# Altium PCB AMC_Box_Mainboard.PcbDoc (part 2 of 8)
Units mil, origin at the board's own origin, x right, y up, seen from the top; angles counter-clockwise.
Board outline 2795.28 x 7874.02 mil, 4 copper layers (TOP, GND, PWR, BTM), stack 63.701 mil thick; 505 components, 378 nets, 1991 pads, 997 vias.
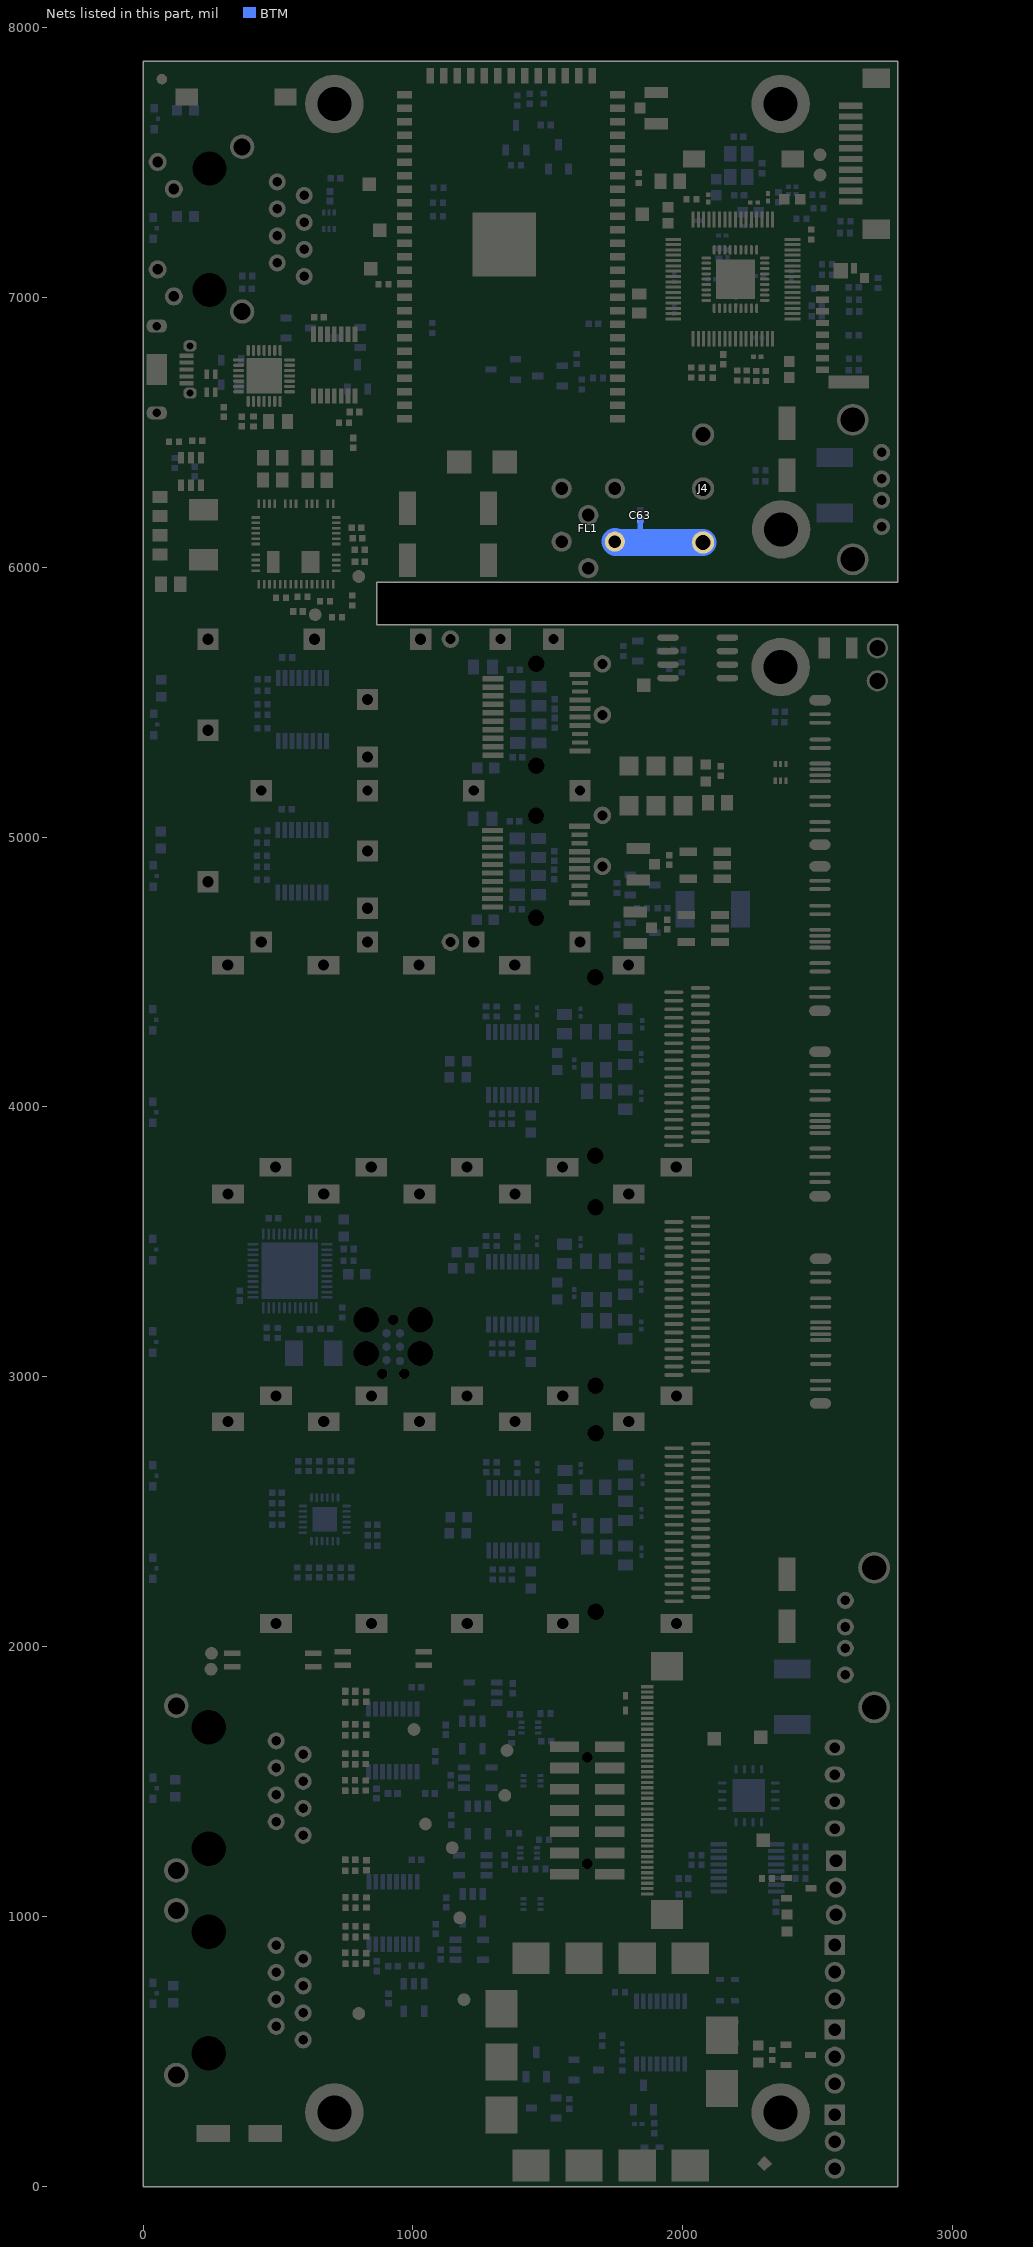
[diagram p4: the nets of this part, all layers, seen from the top]

## Components (designator, comment, footprint, x,y, rotation, side; value= is the part's Value field where it differs from the comment) (continued)
TP8 "TP" TP 2507.87,7452.76 r90 top
TP17 "TP" TP 254,1976 r180 top
TP18 "TP" TP 252,1917 r180 top
TP31 "Test Point" TPS127 844,7106 r180 top
TP32 "Test Point" TPS127 1856,5563 r0 top
TP33 "Test Point" TPS127 1850.39,7307.09 r0 top
TP34 "Test Point" TPS127 838,7419 r0 top
TP35 "Test Point" TPS127 877.95,7248.03 r0 top
TP36 "Test Point" TPS127 2288,1665 r180 top
TP37 "Test Point" TPS127 2116,1660 r90 top
TP39 "Test Point" TPS127 2297,1283 r180 top
TR1 "1:2" XFMR_MINI-CIRCUITS_AT1521 2075,4661.42 r270 top
TR2 "1:2" XFMR_MINI-CIRCUITS_AT1521 2082.68,4895.67 r270 top

## Footprints (in the part's own frame and the unit in brackets; to place one, negate y for a bottom-side part, rotate by r counter-clockwise, add the part's x,y. Pads: shape width x height; smd on the part's side, far side on the other; paste and mask are expansions set on the pad)
3M_Twinax_SL8801/12-10DA5-00 [mm]
  oval 1x2 smd: 1(-6.8,0.011) 14(6.8,-0.011)
  oval 0.35x2 smd: 2(-5.46,0.011) 3(-4.67,0.011) 4(-3.09,-0.011) 5(-2.3,-0.011) 6(-0.84,-0.011) 7(-0.28,-0.011) 8(0.28,-0.011) 9(0.84,-0.011) 10(2.3,-0.011) 11(3.09,-0.011) 12(4.67,-0.011) 13(5.46,-0.011)
  silkscreen extent -7.5,-1.5 7.5,1.5
44PW_M [mm] "QFN, 44-Leads, Body 7x7mm, Pitch 0.5mm, Thermal Pad 5.3x5.3mm, IPC Low Density"
  oval 1.05x0.25 smd: 1(-3.475,2.5) 2(-3.475,2) 3(-3.475,1.5) 4(-3.475,1) 5(-3.475,0.5) 6(-3.475,0) 7(-3.475,-0.5) 8(-3.475,-1) 9(-3.475,-1.5) 10(-3.475,-2) 11(-3.475,-2.5) 23(3.475,-2.5) 24(3.475,-2) 25(3.475,-1.5) 26(3.475,-1) 27(3.475,-0.5) 28(3.475,0) 29(3.475,0.5) 30(3.475,1) 31(3.475,1.5) 32(3.475,2) 33(3.475,2.5)
  oval 0.25x1.05 smd: 12(-2.5,-3.475) 13(-2,-3.475) 14(-1.5,-3.475) 15(-1,-3.475) 16(-0.5,-3.475) 17(0,-3.475) 18(0.5,-3.475) 19(1,-3.475) 20(1.5,-3.475) 21(2,-3.475) 22(2.5,-3.475) 34(2.5,3.475) 35(2,3.475) 36(1.5,3.475) 37(1,3.475) 38(0.5,3.475) 39(0,3.475) 40(-0.5,3.475) 41(-1,3.475) 42(-1.5,3.475) 43(-2,3.475) 44(-2.5,3.475)
  rect 5.3x5.3 smd: 45(0,0)
  silkscreen extent -4.5,-3.73 3.73,3.72, body extent -3.57,-3.58 3.58,3.57, height 0.9
68714014022 [mm] "0.50 mm SMT ZIF Horizontal Top Contact, 40p"
  rect 0.3x1.2 smd: 1(-9.75,2.05) 2(-9.25,2.05) 3(-8.75,2.05) 4(-8.25,2.05) 5(-7.75,2.05) 6(-7.25,2.05) 7(-6.75,2.05) 8(-6.25,2.05) 9(-5.75,2.05) 10(-5.25,2.05) 11(-4.75,2.05) 12(-4.25,2.05) 13(-3.75,2.05) 14(-3.25,2.05) 15(-2.75,2.05) 16(-2.25,2.05) 17(-1.75,2.05) 18(-1.25,2.05) 19(-0.75,2.05) 20(-0.25,2.05) 21(0.25,2.05) 22(0.75,2.05) 23(1.25,2.05) 24(1.75,2.05) 25(2.25,2.05) 26(2.75,2.05) 27(3.25,2.05) 28(3.75,2.05) 29(4.25,2.05) 30(4.75,2.05) 31(5.25,2.05) 32(5.75,2.05) 33(6.25,2.05) 34(6.75,2.05) 35(7.25,2.05) 36(7.75,2.05) 37(8.25,2.05) 38(8.75,2.05) 39(9.25,2.05) 40(9.75,2.05)
  rect 2.7x3 smd: ""(-11.68,0.19) ""(11.68,0.19)
  silkscreen extent -13.25,-2.55 13.25,1.85, body extent -13.2,-2.55 13.2,2.55, height 2.1
c200h150 [mm] "Plated Through Hole: Hole Dia.=1.5mm Pad Dia.=2.0mm, IPC-7251 Level C"
  round 2 hole 1.5: 1(0,0)
  silkscreen extent -1.35,-1.35 1.35,1.35
CAPAE660X540N [mm] "Capacitor, Aluminium Electrolytric, 6.6mm L X 6.6mm W X 5.4mm H, IPC Medium Density"
  rect 3.15x1.6 smd: 1(-2.45,0) 2(2.45,0)
  silkscreen extent -3.95,-3.3 3.3,3.3, body extent -3.9,-3.4 3.9,3.4, height 5.7
CAPC0603X33N [mm] "Chip Capacitor, Body 0.6x0.30mm, IPC Medium Density"
  rect 0.45x0.4 smd: 1(-0.35,0) 2(0.35,0)
  body extent -0.31,-0.16 0.32,0.17, height 0.33
CAPC1005X55N [mm] "Chip Capacitor, Body 1.0x0.55mm, IPC Medium Density"
  rect 0.62x0.62 smd: 1(-0.45,0) 2(0.45,0)
  body extent -0.52,-0.27 0.53,0.28, height 0.55
CAPC1608X80N [mm] "Chip Capacitor, Body 1.6x0.8mm IPC Medium Density"
  rect 1x1 smd: 1(-0.75,0) 2(0.75,0)
  body extent -0.87,-0.47 0.88,0.48, height 0.8
CAPC1608X87N [mm] "Chip Capacitor, Body 1.6x0.8mm IPC Medium Density"
  rect 0.95x1 smd: 1(-0.8,0) 2(0.8,0)
  body extent -0.87,-0.47 0.88,0.48, height 0.87
CAPC2012X135N [mm] "Chip Capacitor, Body 2.0x1.25mm, IPC Medium Density"
  rect 1.05x1.4 smd: 1(-0.9,0) 2(0.9,0)
  silkscreen extent 0,-0.58 0,0.58, body extent -1.05,-0.67 1.05,0.68, height 1.25
CAPC2012X145N [mm] "Chip Capacitor, Body 2.0x1.45mm, IPC Medium Density"
  rect 1.15x1.45 smd: 1(-0.9,0) 2(0.9,0)
  silkscreen extent 0,-0.58 0,0.58, body extent -1.05,-0.67 1.05,0.68, height 1.45
CON_0022057048 [mm] "2.54mm (.100\") Pitch KK® Wire-To-Board Header, Right Angle, With Friction Lock, 3 Circuits"
  oval 1.5x1.9 hole 1: 1(-2.54,0) 2(0,-0.005) 3(2.54,0) 4(5.08,0.005)
  silkscreen extent -3.81,1.31 6.35,14.43, body extent -3.81,-0.33 6.35,14.41, height 5.86
DIOM5336X265N [mm] "DO-214-AA/SMB Diode, Molded Body; 5.34mm L X 3.625mm W X 2.65mm H, IPC Medium Density"
  rect 2.3x2.15 smd: 1(-2.15,0) 2(2.15,0)
  silkscreen extent -3.93,-1.8 2.65,1.8, body extent -2.7,-1.95 2.7,1.95, height 2.4
FCI_95678-001LF [mm] "1 Port, 8 Positions Shielded Snap PEG, CAT5 RJ45 Horizontal Modular Jack"
  round 1.6 hole 0.9: 1(4.445,1.27) 2(3.175,-1.27) 3(1.905,1.27) 4(0.635,-1.27) 5(-0.635,1.27) 6(-1.905,-1.27) 7(-3.171,1.27) 8(-4.445,-1.27)
  round 1 hole 3.25 unplated mask+1.125: M1(-5.715,7.62) M2(5.715,7.62)
  round 2.3 hole 1.6: SHIELD(-7.745,10.67) SHIELD(7.745,10.67)
  silkscreen extent -8.17,-3.35 8.17,18.35, body extent -8.17,-3.35 8.17,18.35, height 15.27
FIDUCIAL_TOP_C100-200 [mm] "Round Fiducial Target, Top Layer, 1.0mm, Top Solder 2.0mm, Keepout =2.0mm"
  round 1 smd paste-0.51 mask+0.5: FTG2(0,0)
  TOP keep-out circle w0.1: c0,0 r1
FIDUCIAL_TOP_S100-200 [mm] "Square Fiducial Target, Top Layer, 1.0mm, Top Solder 2.0mm, Keepout =2.0mm"
  rect 1x1 smd rot 45 paste-0.51 mask+0.5: 1(0,0)
  TOP keep-out region: 1.414,0 0,-1.414 -1.414,0 0,1.414
FIL_MURATA_BNX016 [mm] "Block Type EMIFIL LC Combined Type, BNX01* Series"
  round 1.9 hole 1.2: 1(2.5,2.5) 2(2.5,-2.5) 3(-2.5,2.5) 4(-2.5,-2.5) 4(0,0) 4(5,0)
  silkscreen extent -6.1,-5.6 6.1,5.6, body extent -6.1,-5.6 6.1,5.6, height 12
FUSE_SCHURTER_UST1206 [mm] "Chip Fuse, 2-Leads, Body 3.2mm x 1.6mm x 0.6mm"
  rect 1.1x2 smd: 1(-1.3,0) 2(1.3,0)
  silkscreen extent -0.4,-0.8 0.4,0.8, body extent -1.61,-0.8 1.61,0.8, height 0.67
FUSR_LITTELFUSE_1812L200 [mm] "Surface Mount POLY-FUSE® Resettable PTC, Body 4.55x3.24mm, 1812L Series"
  rect 1.78x3.45 smd: 1(-2.615,0) 2(2.615,0)
  silkscreen extent -1.38,-1.71 1.38,1.71, body extent -2.36,-1.7 2.37,1.71, height 1.2
HIROSE_U.FL-R-SMT-1(10) [mm] "Up to 6GHz Ultra Small Surface Mount Male Coaxial Connectors U.FL Series"
  rect 1x1.05 smd: 1(0,-1.525)
  rect 1.05x2.2 smd: 2(-1.475,0) 2(1.475,0)
  TOP keep-out lines w0.1: -0.6,0 cw(c0,0) 0.6,0 0.6,-0.65 -0.6,-0.65 -0.6,0
  silkscreen extent -0.7,-0.69 0.7,1.55, body extent -1.5,-1.55 1.5,1.55, height 1.25
HIROSE_ZX62RD-AB-5P8(30) [mm] "Right Angle, SMD Micro-USB Type AB - Reverse (Top mount), Shell Through Hole"
  rect 0.4x1.35 smd: 1(1.3,0) 2(0.65,0) 3(0,0) 4(-0.65,0) 5(-1.3,0)
  rrect80% 1.225x1.9 hole 0.8 slot 1.5 at 90 deg: 6(-4.088,-2.8) 6(4.088,-2.8)
  rrect80% 1.05x1.25 hole 0.65 slot 0.85 at 90 deg: 6(-2.225,0.325) 6(2.225,0.325)
  rect 2.9x1.9 smd: PastePad(0,-2.8)
  TOP region: 4.2,-3.75 4.2,-1.85 3.3,-1.85 3.3,-1.85 3.3,-3.75
  TOP region: -4.2,-1.85 -4.2,-3.75 -3.3,-3.75 -3.3,-3.75 -3.3,-1.85
  TOP keep-out lines w0.1: 3.75,-4.125 2.8,-4.125 2.8,-2.45 ccw(c2.6,-2.45) 2.6,-2.25 2.15,-2.25 ccw(c2.15,-2.45) 1.95,-2.45 1.95,-4.125 1.65,-4.125 1.65,-1.65 -1.65,-1.65 -1.65,-4.125 -1.95,-4.125 -1.95,-2.45 ccw(c-2.15,-2.45) -2.15,-2.25 -2.6,-2.25 ccw(c-2.6,-2.45) -2.8,-2.45 -2.8,-4.125 -3.75,-4.125 -3.75,-4 -3.05,-4 -3.05,-1.6 -3.75,-1.6 -3.75,-0.825 -1.7,-0.825 -1.7,-1.025 1.7,-1.025 1.7,-0.825 3.75,-0.825 3.75,-1.6 3.05,-1.6 3.05,-4 3.75,-4 3.75,-4.125
  Keep-Out Layer board cut-out: -2.8,-4.125 -2.8,-2.45 -2.785,-2.373 -2.741,-2.309 -2.676,-2.265 -2.6,-2.25 -2.6,-2.25 -2.15,-2.25 -2.073,-2.265 -2.009,-2.309 -1.965,-2.373 -1.95,-2.45 -1.95,-2.45 -1.95,-4.125
  Keep-Out Layer board cut-out: 1.95,-4.125 1.95,-2.45 1.965,-2.373 2.009,-2.309 2.074,-2.265 2.15,-2.25 2.15,-2.25 2.6,-2.25 2.677,-2.265 2.741,-2.309 2.785,-2.373 2.8,-2.45 2.8,-2.45 2.8,-4.125
  silkscreen extent -4,-5.42 4,1.28, body extent -4.32,-5.42 4.33,0.47, height 2.78
HVQFN24 [mm]
  oval 0.8x0.25 smd: 1(-2.05,1.25) 2(-2.05,0.75) 3(-2.05,0.25) 4(-2.05,-0.25) 5(-2.05,-0.75) 6(-2.05,-1.25) 13(2.05,-1.25) 14(2.05,-0.75) 15(2.05,-0.25) 16(2.05,0.25) 17(2.05,0.75) 18(2.05,1.25)
  oval 0.25x0.8 smd: 7(-1.25,-2.05) 8(-0.75,-2.05) 9(-0.25,-2.05) 10(0.25,-2.05) 11(0.75,-2.05) 12(1.25,-2.05) 19(1.25,2.05) 20(0.75,2.05) 21(0.25,2.05) 22(-0.25,2.05) 23(-0.75,2.05) 24(-1.25,2.05)
  rect 2.3x2.3 smd: 25(0,0)
  silkscreen extent -3.12,-2.05 2.05,2.05, body extent -2.11,-2.11 2.11,2.11, height 0.4
IND_MURATA_DLW21S [mm] "Common Mode Choke Coil, DLW21S Series - Body 2 x 1.2mm"
  rect 0.9x0.4 smd: 1(-0.85,-0.4) 2(0.85,-0.4) 3(0.85,0.4) 4(-0.85,0.4)
  silkscreen extent -1.92,-0.6 0,0.6, body extent -1,-0.6 1,0.6, height 1.4
INDC2012X105N [mm] "Chip Inductor, EIA 0805, Metric 2012, Body 2.0x1.25mm, IPC Medium Density"
  rect 1.15x1.45 smd: 1(-0.9,0) 2(0.9,0)
  silkscreen extent 0,-0.6 0,0.6, body extent -1.1,-0.7 1.1,0.7, height 1.1
INDM5552X200N [mm] "Inductor, Molded Body; 5.49mm L X 5.18mm W X 2.00mm H, IPC Medium Density"
  rect 2.05x2.7 smd: 1(-2.35,0) 2(2.35,0)
  silkscreen extent -2.7,-2.6 2.7,2.6, body extent -2.74,-2.59 2.75,2.59, height 2
LED_AVAGO_HSME-C120 [mm] "Green Chip LED, 2-Leads, Body 1.7x1.1mm, Side Emitting Package"
  rect 0.8x0.7 smd: 1(-1,0) 2(1,0)
  rect 0.4x0.4 smd: 3(0,-0.35)
  silkscreen extent -1.12,-0.92 0.42,0.8, body extent -0.85,-0.3 0.85,0.8, height 0.7
LED_AVAGO_HSME-C120rev [mm] "Green Chip LED, 2-Leads, Body 1.7x1.1mm, Side Emitting Package"
  rect 0.8x0.7 smd: 1(-1,0) 2(1,0)
  rect 0.4x0.4 smd: 3(0,0.35)
  silkscreen extent -0.51,-0.8 1.12,0.96, body extent -0.85,-0.8 0.85,0.3, height 0.7
MAXM-T1655-3_N [mm] "QFN, 16-Leads, Body 5x5mm, Pitch 0.8mm, Thermal Pad 3.1x3.1mm, IPC Medium Density"
  oval 0.8x0.3 smd: 1(-2.5,1.2) 2(-2.5,0.4) 3(-2.5,-0.4) 4(-2.5,-1.2) 9(2.5,-1.2) 10(2.5,-0.4) 11(2.5,0.4) 12(2.5,1.2)
  oval 0.3x0.8 smd: 5(-1.2,-2.5) 6(-0.4,-2.5) 7(0.4,-2.5) 8(1.2,-2.5) 13(1.2,2.5) 14(0.4,2.5) 15(-0.4,2.5) 16(-1.2,2.5)
  rect 3.1x3.1 smd: 17(0,0)
  silkscreen extent -3.48,-2.7 2.7,2.7, body extent -2.55,-2.55 2.55,2.55, height 0.8
MCHP-QFN-36_V [mm] "QFN, 36-Leads, Body 6.00x6.00mm, Pitch 0.50mm, Thermal Pad 3.70x3.70mm"
  oval 0.9x0.28 smd: 1(-2.75,2) 2(-2.75,1.5) 3(-2.75,1) 4(-2.75,0.5) 5(-2.75,0) 6(-2.75,-0.5) 7(-2.75,-1) 8(-2.75,-1.5) 9(-2.75,-2) 19(2.75,-2) 20(2.75,-1.5) 21(2.75,-1) 22(2.75,-0.5) 23(2.75,0) 24(2.75,0.5) 25(2.75,1) 26(2.75,1.5) 27(2.75,2)
  oval 0.28x0.9 smd: 10(-2,-2.75) 11(-1.5,-2.75) 12(-1,-2.75) 13(-0.5,-2.75) 14(0,-2.75) 15(0.5,-2.75) 16(1,-2.75) 17(1.5,-2.75) 18(2,-2.75) 28(2,2.75) 29(1.5,2.75) 30(1,2.75) 31(0.5,2.75) 32(0,2.75) 33(-0.5,2.75) 34(-1,2.75) 35(-1.5,2.75) 36(-2,2.75)
  rect 3.7x3.7 smd: 37(0,0)
  silkscreen extent -3.85,-3.08 3.08,3.08, body extent -3,-3 3,3, height 1
MICROCHIP_H3QFN88-52LD-PL-3 [mm] "MICROCHIP_H3QFN88-52LD-PL-3, 0.50mm Pitch, Square, 52 Pin, 8mm L X 8mm W X 3mm H Body"
  rect 0.8x0.25 smd: 1(-3.8,3.5) 2(-3.8,3) 4(-3.8,2) 5(-3.8,1.5) 6(-3.8,1) 8(-3.8,0) 9(-3.8,-0.5) 10(-3.8,-1) 12(-3.8,-2) 13(-3.8,-2.5) 14(-3.8,-3) 15(-3.8,-3.5) 27(3.8,-3.5) 28(3.8,-3) 29(3.8,-2.5) 30(3.8,-2) 31(3.8,-1.5) 32(3.8,-1) 33(3.8,-0.5) 34(3.8,0) 35(3.8,0.5) 36(3.8,1) 37(3.8,1.5) 38(3.8,2) 39(3.8,2.5) 40(3.8,3) 41(3.8,3.5)
  rect 0.25x0.8 smd: 16(-2.5,-3.8) 17(-2,-3.8) 18(-1.5,-3.8) 19(-1,-3.8) 20(-0.5,-3.8) 21(0,-3.8) 23(1,-3.8) 24(1.5,-3.8) 25(2,-3.8) 26(2.5,-3.8) 42(2.5,3.8) 43(2,3.8) 44(1.5,3.8) 45(1,3.8) 47(0,3.8) 48(-0.5,3.8) 49(-1,3.8) 50(-1.5,3.8) 51(-2,3.8) 52(-2.5,3.8)
  rect 2.1x1.675 smd: 53(1.7,1.363)
  rect 2.1x1.15 smd: 54(1.7,-2.15)
  TOP lines w0.05: 1.7,0.525 1.7,0.525
  TOP keep-out region: -4.2,-1.625 -4.2,-1.375 -3.15,-1.375 -3.15,0.375 -4.2,0.375 -4.2,0.625 -3.15,0.625 -3.15,2.375 -4.2,2.375 -4.2,2.625 -3.15,2.625 -3.15,3.12 0.15,3.12 0.15,0.025 3.15,0.025 3.15,-1.075 0.15,-1.075 0.15,-3.12 -3.15,-3.12 -3.15,-1.625
  TOP keep-out region: 0.375,-4.2 0.625,-4.2 0.625,-3.12 0.375,-3.12
  TOP keep-out region: 0.375,3.12 0.625,3.12 0.625,4.2 0.375,4.2
  silkscreen extent -4.55,-4 4,4.52, body extent -4,-4 4,4, height 3
MOLEX_22-05-7038 [mm] "2.54mm (.100\") Pitch KK® Wire-To-Board Header, Right Angle, With Friction Lock, 3 Circuits"
  rect 1.9x1.9 hole 1.2: 1(-2.54,0)
  round 1.9 hole 1.2: 2(0,-0.005) 3(2.54,0)
  silkscreen extent -3.81,1.3 3.81,14.42, body extent -3.81,-0.32 3.81,14.42, height 5.84
MOLEX_47309-2651 [mm] "1.10mm Pitch microSD Card Header with Detect Switch"
  rect 0.6x1.25 smd: 1(3.85,0) 2(2.75,0) 3(1.65,0) 4(0.55,0) 5(-0.55,0) 6(-1.65,0) 7(-2.75,0) 8(-3.85,0)
  rect 1.2x3.79 smd: G1(-5,-2.48)
  rect 1.45x1.4 smd: G2(5.475,-1.725)
  rect 1x0.6 smd: G3(5.7,-2.975)
  rect 0.95x0.85 smd: G4(4.775,-3.95)
  silkscreen extent -5.4,-4.18 6,2.1, body extent -5.4,-4.17 6,1.33, height 2.65
MOLEX_87832-1420 [mm] "Milli-Grid, Pitch 2mm, 14 contacts, Surface Mount Vertical Header With Locking Window And Centre Polarization Slot"
  rect 1x2.75 smd: 1(-6,-2.125) 2(-6,2.125) 3(-4,-2.125) 4(-4,2.125) 5(-2,-2.125) 6(-2,2.125) 7(0,-2.125) 8(0,2.125) 9(2,-2.125) 10(2,2.125) 11(4,-2.125) 12(4,2.125) 13(6,-2.125) 14(6,2.125)
  round 0.5 hole 1 unplated mask+0.25: 15(-5,0) 16(5,0)
  silkscreen extent -8.32,-4.19 8.32,3.15, body extent -8.32,-3.15 8.33,3.15, height 7.6
MTG320_550 [mm] "Plated Through Hole: Hole Dia.=3.2mm Pad Dia.=5.5mm"
  round 5.5 hole 3.2: 1(0,0)
OMEGA2S_PADS [mil]
  rect 56x28 smd: 0(750,-345) 1(750,-295) 2(750,-245) 3(750,-195) 4(750,-145) 5(750,-95) 6(750,5) 7(750,55) 8(750,155) 9(750,105) 10(750,205) 11(750,255) VIN_FLASH(750,-45)
  rect 28x56 smd: 3.3V1(-120,-440) 3.3V2(-170,-440) 12(680,350) 13(630,350) 14(380,350) 15(330,350) 16(280,350) 17(230,350) 18(180,350) 19(130,350) 20(80,350) 21(30,350) 22(-20,350) 23(-70,350) 24(-120,350) 25(-170,350) 26(-220,350) 27(-270,350) 28(-320,350) 29(-370,350) 36(-470,-440) 37(-420,-440) 38(-370,-440) 39(-270,-440) 40(-220,-440) 41(230,-440) 42(280,-440) 43(330,-440) 44(380,-440) 45(430,-440) 46(480,-440) ANT(630,-440) D+(-420,350) D-(-470,350) E_RX+(580,350) E_RX-(530,350) E_TX+(480,350) E_TX-(430,350) GND1(680,-440) GND2(580,-440) GND3(530,-440) GND4(-520,-440) GND5(-520,350) P_CK+(180,-440) P_CK-(130,-440) P_RX+(30,-440) P_RX-(80,-440) P_TX+(-20,-440) P_TX-(-70,-440) RST(-320,-440)
  rect 238x235 smd: GND6(125,-20)
  silkscreen extent -589,-467 779,380, body extent -589,-437 750,350, height 110
OSC_CRYSTEK_CCLD-033 [mm] "Oscillator, Side Concave, 2.54mm Pitch, 6 Pins, 5.00mm L X 7.00mm W X 1.80mm H, CCLD-033 Series"
  rect 1.8x1.8 smd: 1(-1.875,2.54) 2(-1.875,0) 3(-1.875,-2.54) 4(1.875,-2.54) 5(1.875,0) 6(1.875,2.54)
  silkscreen extent -3.22,-3.6 0.63,4.17, body extent -2.6,-3.6 2.6,3.6, height 1.8
PB_TYCO_FSMSM [mm] "Body 3.5x6.0mm, Pushbutton Switch,  TYCO FSMSM Serie"
  rect 2.1x1.6 smd: 1(-4.65,0) 2(4.65,0)
  silkscreen extent -3,-1.75 3,1.75, body extent -5,-1.75 5,1.75, height 4.3
PCBM_DIGILENT_JTAG-SMT2-NC [mm] "JTAG-SMT2 Case, 5.00mm Pitch; 11 Pins, 22.75mm W X 21.5mm L X 3.00mm H body"
  rect 3.5x3 smd: 1(0,0) 2(5,0) 3(10,0) 4(15,0) 8(15,19.5) 9(10,19.5) 10(5,19.5) 11(0,19.5)
  rect 3x3.5 smd: 5(17.75,4.75) 6(17.75,9.75) 7(17.75,14.75) 12(-3,12.25) 13(-3,7.25)
  silkscreen extent -4,-1 18.75,20.5, body extent -4,-1 18.75,20.5, height 2.7
PHOENIX_1755749 [mm] "PCB Header, 12A 250 V, Pitch: 2.54mm, 3 Positions, MSTBVA Serie"
  round 2.1 hole 1.4: 1(-5.08,0) 2(0,0) 3(5.08,0)
  silkscreen extent -8.62,-3.8 8.62,4.8, body extent -8.62,-3.8 8.62,4.8, height 12
QFN50P500X500X100-29N-S335 [mm] "QFN, 0.50mm Pitch, Square; 28 pin, 5.00mm L X 5.00mm W X 1.00mm H body (w/thermal tab 3.35 X 3.35mm),  IPC Medium Density"
  oval 1.05x0.3 smd: 1(-2.4,1.5) 2(-2.4,1) 3(-2.4,0.5) 4(-2.4,0) 5(-2.4,-0.5) 6(-2.4,-1) 7(-2.4,-1.5) 15(2.4,-1.5) 16(2.4,-1) 17(2.4,-0.5) 18(2.4,0) 19(2.4,0.5) 20(2.4,1) 21(2.4,1.5)
  oval 0.3x1.05 smd: 8(-1.5,-2.4) 9(-1,-2.4) 10(-0.5,-2.4) 11(0,-2.4) 12(0.5,-2.4) 13(1,-2.4) 14(1.5,-2.4) 22(1.5,2.4) 23(1,2.4) 24(0.5,2.4) 25(0,2.4) 26(-0.5,2.4) 27(-1,2.4) 28(-1.5,2.4)
  rect 3.35x3.35 smd: 29(0,0)
  silkscreen extent -3.62,-2.5 2.5,2.5, body extent -2.5,-2.5 2.5,2.5, height 1
RESC1005X40N#1 [mm] "Chip Resistor, EIA 0402, Metric 1005, Body 1.0x0.5mm, IPC Medium Density"
  rect 0.58x0.62 smd: 1(-0.47,0) 2(0.47,0)
  body extent -0.52,-0.27 0.53,0.28, height 0.4
RESC1005X40N#2 [mm] "Chip Resistor, Body 1.0x0.5mm, IPC Medium Density"
  rect 0.6x0.6 smd: 1(-0.45,0) 2(0.45,0)
  body extent -0.53,-0.28 0.53,0.28, height 0.4
RESC1608X55N [mm] "Chip Resistor, EIA 0603, Metric 1608, Body 1.6x0.8mm, IPC Medium Density"
  rect 0.9x1 smd: 1(-0.8,0) 2(0.8,0)
  body extent -0.87,-0.47 0.88,0.48, height 0.55
SO-8 [mil]
  oval 80x24 smd: 1(0,0) 2(0,-50) 3(0,-100) 4(0,-150) 5(220,-150) 6(220,-100) 7(220,-50) 8(220,0)
  silkscreen extent 60,-175 160,25, body extent -14,-173 230,24, height 69
SODFL1608X65N [mm] "Ultra Small Outline Diode Flat Lead (SOD-523), Body; 1.2mm L X 0.8mm W X 0.65mm H, IPC Medium Density"
  rect 0.75x0.5 smd: 1(-0.7,0) 2(0.7,0)
  silkscreen extent -1.22,0.63 -0.98,0.87, body extent -0.82,-0.42 0.83,0.43, height 0.65
SOP63P600X175-16N [mm] "SOP, 0.635mm pitch; 16 pin, 3.9mm W X 4.895mm L X 1.75mm H Body, IPC Medium Density"
  rect 1.55x0.4 smd: 1(-2.7,2.223) 2(-2.7,1.588) 3(-2.7,0.953) 4(-2.7,0.318) 5(-2.7,-0.317) 6(-2.7,-0.952) 7(-2.7,-1.587) 8(-2.7,-2.222) 9(2.7,-2.223) 10(2.7,-1.588) 11(2.7,-0.953) 12(2.7,-0.318) 13(2.7,0.317) 14(2.7,0.952) 15(2.7,1.587) 16(2.7,2.222)
  silkscreen extent -3.33,-2.45 1.6,3.07, body extent -3.13,-2.49 3.13,2.49, height 1.75
SOP65P640X110-14N [mm] "SOP, 14-Leads, Body 4.4x5mm (max), Pitch 0.65mm, IPC Medium Density"
  rect 1.45x0.45 smd: 1(-2.9,1.95) 2(-2.9,1.3) 3(-2.9,0.65) 4(-2.9,0) 5(-2.9,-0.65) 6(-2.9,-1.3) 7(-2.9,-1.95) 8(2.9,-1.95) 9(2.9,-1.3) 10(2.9,-0.65) 11(2.9,0) 12(2.9,0.65) 13(2.9,1.3) 14(2.9,1.95)
  silkscreen extent -3.47,-2.5 1.85,2.82, body extent -3.12,-2.55 3.12,2.55, height 1.1
SOP65P640X110-16N [mm] "SOP, 0.65mm pitch; 16 pin, 4.40mm W X 5.00mm L X 1.10mm H body IPC Medium Density"
  rect 1.5x0.45 smd: 1(-2.95,2.275) 2(-2.95,1.625) 3(-2.95,0.975) 4(-2.95,0.325) 5(-2.95,-0.325) 6(-2.95,-0.975) 7(-2.95,-1.625) 8(-2.95,-2.275) 9(2.95,-2.275) 10(2.95,-1.625) 11(2.95,-0.975) 12(2.95,-0.325) 13(2.95,0.325) 14(2.95,0.975) 15(2.95,1.625) 16(2.95,2.275)
  silkscreen extent -3.57,-2.5 1.88,3.13, body extent -3.12,-2.55 3.12,2.55, height 1.1
SOP65P640X120-16N [mm] "SOP, 0.65mm pitch; 16 pin, 4.40mm W X 5.00mm L X 1.20mm H body IPC Medium Density"
  rect 1.45x0.45 smd: 1(-2.95,2.275) 2(-2.95,1.625) 3(-2.95,0.975) 4(-2.95,0.325) 5(-2.95,-0.325) 6(-2.95,-0.975) 7(-2.95,-1.625) 8(-2.95,-2.275) 9(2.95,-2.275) 10(2.95,-1.625) 11(2.95,-0.975) 12(2.95,-0.325) 13(2.95,0.325) 14(2.95,0.975) 15(2.95,1.625) 16(2.95,2.275)
  silkscreen extent -3.07,-2.55 1.85,3.18, body extent -3.12,-2.55 3.12,2.55, height 1.2
SOT95P237X112-3N [mm] "SOT, 0.95mm, pitch; 3 pin,1.30mm W X 2.92mm L X 1.12mm H body, IPC Medium Density"
  rect 1.05x0.6 smd: 1(-1.15,0.95) 2(-1.15,-0.95) 3(1.15,0)
  silkscreen extent -1.53,-1.45 0.3,1.87, body extent -1.25,-1.5 1.25,1.5, height 1.1
SOT95P240X110-3N [mm] "SOT23 3-Leads, Pitch 0.95mm, Body 1.3x2.9mm, IPC Medium Density"
  rect 1.05x0.65 smd: 1(-1.15,0.95) 2(-1.15,-0.95) 3(1.15,0)
  silkscreen extent -1.52,-1.45 0.3,1.92, body extent -1.25,-1.5 1.25,1.5, height 1.1
SOT95P240X130-3N [mm] "SOT23 3-Leads, Pitch 0.95mm - Body 1.3x2.9mm, IPC Medium Density"
  rect 1.05x0.65 smd: 1(-1.15,0.95) 2(-1.15,-0.95) 3(1.15,0)
  silkscreen extent -1.52,-1.45 0.3,1.92, body extent -1.25,-1.5 1.25,1.5, height 1.3
SOT95P280X145-5N [mm] "SOT, 0.95mm pitch; 5 pin, 1.60mm W X 2.90mm L X 1.45mm H body, IPC Medium Density"
  rect 1.1x0.6 smd: 1(-1.3,0.95) 2(-1.3,0) 3(-1.3,-0.95) 4(1.3,-0.95) 5(1.3,0.95)
  silkscreen extent -1.73,-1.45 0.43,1.87, body extent -1.4,-1.5 1.4,1.5, height 1.45
SOT95P285X110-6N [mm] "SOT, 0.95mm, pitch; 6 pin,1.625mm W X 3.025mm L X 1.10mm H body, IPC Medium Density"
  rect 1.05x0.55 smd: 1(-1.3,0.95) 2(-1.3,0) 3(-1.3,-0.95) 4(1.3,-0.95) 5(1.3,0) 6(1.3,0.95)
  silkscreen extent -1.67,-1.5 0.45,1.87, body extent -1.4,-1.5 1.48,1.5, height 1.1
SOT190P230X110-4N [mm] "SOT143, SOT, 1.90mm Pitch; 4 Pin, 1.30mm W X 2.90mm L X 1.10mm H body, IPC Medium Density"
  rect 1x1 smd: 1(-1.15,0.75)